# KiCad board arena_12-12_v8_ni.kicad_pcb (continued)
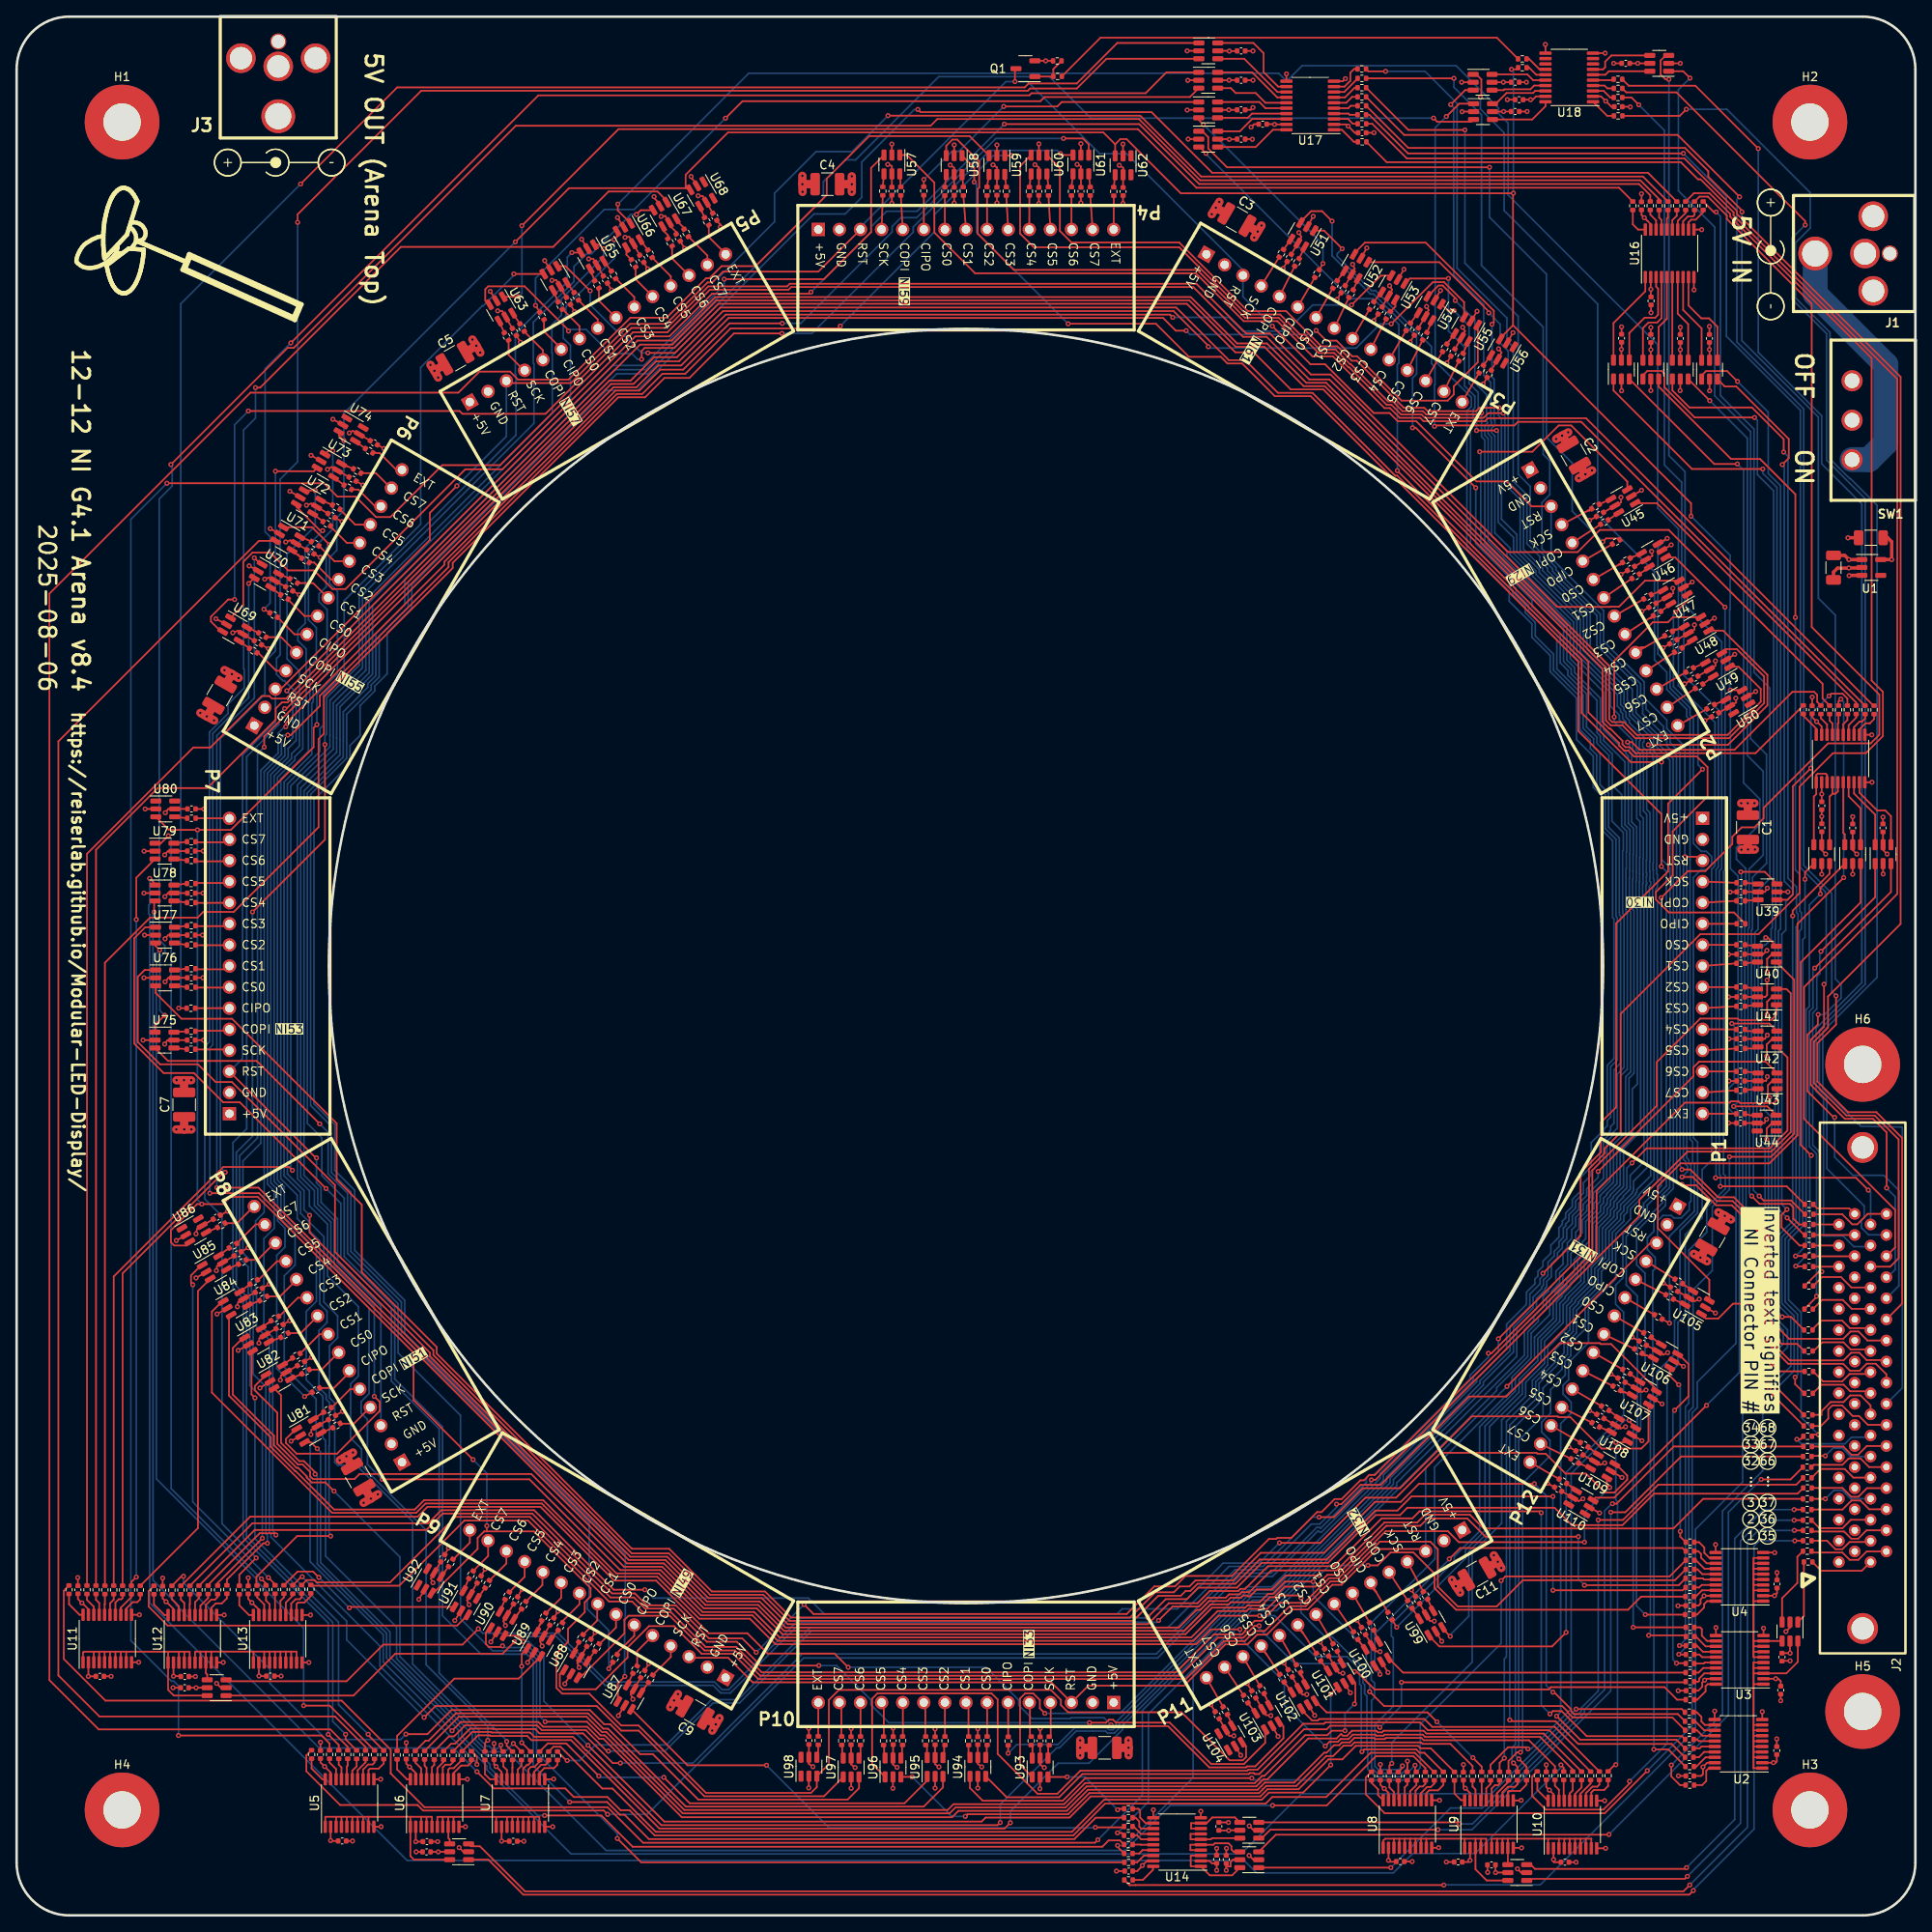
[diagram p0: board, top side]
## Nets (continued)
/Panel Headers/CS_03_P11: P11.10 R289.2
/Panel Headers/CS_03_P12: P12.10 R301.2
/Panel Headers/CS_04_P01: P1.11 R170.2
/Panel Headers/CS_04_P02: P2.11 R182.2
/Panel Headers/CS_04_P03: P3.11 R194.2
/Panel Headers/CS_04_P04: P4.11 R206.2
/Panel Headers/CS_04_P05: P5.11 R218.2
/Panel Headers/CS_04_P06: P6.11 R230.2
/Panel Headers/CS_04_P07: P7.11 R242.2
/Panel Headers/CS_04_P08: P8.11 R254.2
/Panel Headers/CS_04_P09: P9.11 R266.2
/Panel Headers/CS_04_P10: P10.11 R278.2
/Panel Headers/CS_04_P11: P11.11 R290.2
/Panel Headers/CS_04_P12: P12.11 R302.2
/Panel Headers/CS_05_P01: P1.12 R171.2
/Panel Headers/CS_05_P02: P2.12 R183.2
/Panel Headers/CS_05_P03: P3.12 R195.2
/Panel Headers/CS_05_P04: P4.12 R207.2
/Panel Headers/CS_05_P05: P5.12 R219.2
/Panel Headers/CS_05_P06: P6.12 R231.2
/Panel Headers/CS_05_P07: P7.12 R243.2
/Panel Headers/CS_05_P08: P8.12 R255.2
/Panel Headers/CS_05_P09: P9.12 R267.2
/Panel Headers/CS_05_P10: P10.12 R279.2
/Panel Headers/CS_05_P11: P11.12 R291.2
/Panel Headers/CS_05_P12: P12.12 R303.2
/Panel Headers/CS_06_P01: P1.13 R172.2
/Panel Headers/CS_06_P02: P2.13 R184.2
/Panel Headers/CS_06_P03: P3.13 R196.2
/Panel Headers/CS_06_P04: P4.13 R208.2
/Panel Headers/CS_06_P05: P5.13 R220.2
/Panel Headers/CS_06_P06: P6.13 R232.2
/Panel Headers/CS_06_P07: P7.13 R244.2
/Panel Headers/CS_06_P08: P8.13 R256.2
/Panel Headers/CS_06_P09: P9.13 R268.2
/Panel Headers/CS_06_P10: P10.13 R280.2
/Panel Headers/CS_06_P11: P11.13 R292.2
/Panel Headers/CS_06_P12: P12.13 R304.2
/Panel Headers/CS_07_P01: P1.14 R173.2
/Panel Headers/CS_07_P02: P2.14 R185.2
/Panel Headers/CS_07_P03: P3.14 R197.2
/Panel Headers/CS_07_P04: P4.14 R209.2
/Panel Headers/CS_07_P05: P5.14 R221.2
/Panel Headers/CS_07_P06: P6.14 R233.2
/Panel Headers/CS_07_P07: P7.14 R245.2
/Panel Headers/CS_07_P08: P8.14 R257.2
/Panel Headers/CS_07_P09: P9.14 R269.2
/Panel Headers/CS_07_P10: P10.14 R281.2
/Panel Headers/CS_07_P11: P11.14 R293.2
/Panel Headers/CS_07_P12: P12.14 R305.2
/Panel Headers/EXT_INT_P01: P1.15 R174.2
/Panel Headers/EXT_INT_P02: P2.15 R186.2
/Panel Headers/EXT_INT_P03: P3.15 R198.2
/Panel Headers/EXT_INT_P04: P4.15 R210.2
/Panel Headers/EXT_INT_P05: P5.15 R222.2
/Panel Headers/EXT_INT_P06: P6.15 R234.2
/Panel Headers/EXT_INT_P07: P7.15 R246.2
/Panel Headers/EXT_INT_P08: P8.15 R258.2
/Panel Headers/EXT_INT_P09: P9.15 R270.2
/Panel Headers/EXT_INT_P10: P10.15 R282.2
/Panel Headers/EXT_INT_P11: P11.15 R294.2
/Panel Headers/EXT_INT_P12: P12.15 R306.2
/Panel Headers/MISO_00_P01: P1.6 R165.2
/Panel Headers/MISO_01_P02: P2.6 R177.2
/Panel Headers/MISO_02_P03: P3.6 R189.2
/Panel Headers/MISO_03_P04: P4.6 R201.2
/Panel Headers/MISO_04_P05: P5.6 R213.2
/Panel Headers/MISO_05_P06: P6.6 R225.2
/Panel Headers/MISO_06_P07: P7.6 R237.2
/Panel Headers/MISO_07_P08: P8.6 R249.2
/Panel Headers/MISO_08_P09: P9.6 R261.2
/Panel Headers/MISO_09_P10: P10.6 R273.2
/Panel Headers/MISO_10_P11: P11.6 R285.2
/Panel Headers/MISO_11_P12: P12.6 R297.2
/Panel Headers/MOSI_00_P01: P1.5 R164.2
/Panel Headers/MOSI_01_P02: P2.5 R176.2
/Panel Headers/MOSI_02_P03: P3.5 R188.2
/Panel Headers/MOSI_03_P04: P4.5 R200.2
/Panel Headers/MOSI_04_P05: P5.5 R212.2
/Panel Headers/MOSI_05_P06: P6.5 R224.2
/Panel Headers/MOSI_06_P07: P7.5 R236.2
/Panel Headers/MOSI_07_P08: P8.5 R248.2
/Panel Headers/MOSI_08_P09: P9.5 R260.2
/Panel Headers/MOSI_09_P10: P10.5 R272.2
/Panel Headers/MOSI_10_P11: P11.5 R284.2
/Panel Headers/MOSI_11_P12: P12.5 R296.2
/Panel Headers/RESET: P1.3 P2.3 P3.3 P4.3 P5.3 P6.3 P7.3 P8.3 P9.3 P10.3 P11.3 P12.3 Q1.3
/Panel Headers/SCK_0_H1_P01: P1.4 R163.2
/Panel Headers/SCK_0_H2_P07: P7.4 R235.2
/Panel Headers/SCK_1_H1_P02: P2.4 R175.2
/Panel Headers/SCK_1_H2_P08: P8.4 R247.2
/Panel Headers/SCK_2_H1_P03: P3.4 R187.2
/Panel Headers/SCK_2_H2_P09: P9.4 R259.2
/Panel Headers/SCK_3_H1_P04: P4.4 R199.2
/Panel Headers/SCK_3_H2_P10: P10.4 R271.2
/Panel Headers/SCK_4_H1_P05: P5.4 R211.2
/Panel Headers/SCK_4_H2_P11: P11.4 R283.2
/Panel Headers/SCK_5_H1_P06: P6.4 R223.2
/Panel Headers/SCK_5_H2_P12: P12.4 R295.2
/Power & Voltage Regulators/SW_5V: J1.1 SW1.1
Net-(J2-Pin_29): J2.29 R23.1
Net-(J2-Pin_30): J2.30 R24.1
Net-(J2-Pin_31): J2.31 R25.1
Net-(J2-Pin_32): J2.32 R26.1
Net-(J2-Pin_33): J2.33 R27.1
Net-(J2-Pin_34): J2.34 R28.1
Net-(J2-Pin_35): J2.35 R1.1
Net-(J2-Pin_36): J2.36 R2.1
Net-(J2-Pin_37): J2.37 R3.1
Net-(J2-Pin_38): J2.38 R4.1
Net-(J2-Pin_39): J2.39 R5.1
Net-(J2-Pin_40): J2.40 R6.1
Net-(J2-Pin_41): J2.41 R7.1
Net-(J2-Pin_42): J2.42 R8.1
Net-(J2-Pin_43): J2.43 R9.1
Net-(J2-Pin_44): J2.44 R10.1
Net-(J2-Pin_45): J2.45 R11.1
Net-(J2-Pin_46): J2.46 R12.1
Net-(J2-Pin_47): J2.47 R13.1
Net-(J2-Pin_48): J2.48 R14.1
Net-(J2-Pin_49): J2.49 R15.1
Net-(J2-Pin_51): J2.51 R16.1
Net-(J2-Pin_53): J2.53 R17.1
Net-(J2-Pin_55): J2.55 R18.1
Net-(J2-Pin_57): J2.57 R19.1
Net-(J2-Pin_59): J2.59 R20.1
Net-(J2-Pin_61): J2.61 R21.1
Net-(J2-Pin_68): J2.68 R22.1
Net-(Q1-G): Q1.1 R307.2 R308.1
Net-(R163-Pad1): R163.1 U39.4
Net-(R164-Pad1): R164.1 U39.6
Net-(R166-Pad1): R166.1 U40.4
Net-(R167-Pad1): R167.1 U40.6
Net-(R168-Pad1): R168.1 U41.4
Net-(R169-Pad1): R169.1 U41.6
Net-(R170-Pad1): R170.1 U42.4
Net-(R171-Pad1): R171.1 U42.6
Net-(R172-Pad1): R172.1 U43.4
Net-(R173-Pad1): R173.1 U43.6
Net-(R174-Pad1): R174.1 U44.4
Net-(R175-Pad1): R175.1 U45.4
Net-(R176-Pad1): R176.1 U45.6
Net-(R178-Pad1): R178.1 U46.4
Net-(R179-Pad1): R179.1 U46.6
Net-(R180-Pad1): R180.1 U47.4
Net-(R181-Pad1): R181.1 U47.6
Net-(R182-Pad1): R182.1 U48.4
Net-(R183-Pad1): R183.1 U48.6
Net-(R184-Pad1): R184.1 U49.4
Net-(R185-Pad1): R185.1 U49.6
Net-(R186-Pad1): R186.1 U50.4
Net-(R187-Pad1): R187.1 U51.4
Net-(R188-Pad1): R188.1 U51.6
Net-(R190-Pad1): R190.1 U52.4
Net-(R191-Pad1): R191.1 U52.6
Net-(R192-Pad1): R192.1 U53.4
Net-(R193-Pad1): R193.1 U53.6
Net-(R194-Pad1): R194.1 U54.4
Net-(R195-Pad1): R195.1 U54.6
Net-(R196-Pad1): R196.1 U55.4
Net-(R197-Pad1): R197.1 U55.6
Net-(R198-Pad1): R198.1 U56.4
Net-(R199-Pad1): R199.1 U57.4
Net-(R200-Pad1): R200.1 U57.6
Net-(R202-Pad1): R202.1 U58.4
Net-(R203-Pad1): R203.1 U58.6
Net-(R204-Pad1): R204.1 U59.4
Net-(R205-Pad1): R205.1 U59.6
Net-(R206-Pad1): R206.1 U60.4
Net-(R207-Pad1): R207.1 U60.6
Net-(R208-Pad1): R208.1 U61.4
Net-(R209-Pad1): R209.1 U61.6
Net-(R210-Pad1): R210.1 U62.4
Net-(R211-Pad1): R211.1 U63.4
Net-(R212-Pad1): R212.1 U63.6
Net-(R214-Pad1): R214.1 U64.4
Net-(R215-Pad1): R215.1 U64.6
Net-(R216-Pad1): R216.1 U65.4
Net-(R217-Pad1): R217.1 U65.6
Net-(R218-Pad1): R218.1 U66.4
Net-(R219-Pad1): R219.1 U66.6
Net-(R220-Pad1): R220.1 U67.4
Net-(R221-Pad1): R221.1 U67.6
Net-(R222-Pad1): R222.1 U68.4
Net-(R223-Pad1): R223.1 U69.4
Net-(R224-Pad1): R224.1 U69.6
Net-(R226-Pad1): R226.1 U70.4
Net-(R227-Pad1): R227.1 U70.6
Net-(R228-Pad1): R228.1 U71.4
Net-(R229-Pad1): R229.1 U71.6
Net-(R230-Pad1): R230.1 U72.4
Net-(R231-Pad1): R231.1 U72.6
Net-(R232-Pad1): R232.1 U73.4
Net-(R233-Pad1): R233.1 U73.6
Net-(R234-Pad1): R234.1 U74.4
Net-(R235-Pad1): R235.1 U75.4
Net-(R236-Pad1): R236.1 U75.6
Net-(R238-Pad1): R238.1 U76.4
Net-(R239-Pad1): R239.1 U76.6
Net-(R240-Pad1): R240.1 U77.4
Net-(R241-Pad1): R241.1 U77.6
Net-(R242-Pad1): R242.1 U78.4
Net-(R243-Pad1): R243.1 U78.6
Net-(R244-Pad1): R244.1 U79.4
Net-(R245-Pad1): R245.1 U79.6
Net-(R246-Pad1): R246.1 U80.4
Net-(R247-Pad1): R247.1 U81.4
Net-(R248-Pad1): R248.1 U81.6
Net-(R250-Pad1): R250.1 U82.4
Net-(R251-Pad1): R251.1 U82.6
Net-(R252-Pad1): R252.1 U83.4
Net-(R253-Pad1): R253.1 U83.6
Net-(R254-Pad1): R254.1 U84.4
Net-(R255-Pad1): R255.1 U84.6
Net-(R256-Pad1): R256.1 U85.4
Net-(R257-Pad1): R257.1 U85.6
Net-(R258-Pad1): R258.1 U86.4
Net-(R259-Pad1): R259.1 U87.4
Net-(R260-Pad1): R260.1 U87.6
Net-(R262-Pad1): R262.1 U88.4
Net-(R263-Pad1): R263.1 U88.6
Net-(R264-Pad1): R264.1 U89.4
Net-(R265-Pad1): R265.1 U89.6
Net-(R266-Pad1): R266.1 U90.4
Net-(R267-Pad1): R267.1 U90.6
Net-(R268-Pad1): R268.1 U91.4
Net-(R269-Pad1): R269.1 U91.6
Net-(R270-Pad1): R270.1 U92.4
Net-(R271-Pad1): R271.1 U93.4
Net-(R272-Pad1): R272.1 U93.6
Net-(R274-Pad1): R274.1 U94.4
Net-(R275-Pad1): R275.1 U94.6
Net-(R276-Pad1): R276.1 U95.4
Net-(R277-Pad1): R277.1 U95.6
Net-(R278-Pad1): R278.1 U96.4
Net-(R279-Pad1): R279.1 U96.6
Net-(R280-Pad1): R280.1 U97.4
Net-(R281-Pad1): R281.1 U97.6
Net-(R282-Pad1): R282.1 U98.4
Net-(R283-Pad1): R283.1 U99.4
Net-(R284-Pad1): R284.1 U99.6
Net-(R286-Pad1): R286.1 U100.4
Net-(R287-Pad1): R287.1 U100.6
Net-(R288-Pad1): R288.1 U101.4
Net-(R289-Pad1): R289.1 U101.6
Net-(R290-Pad1): R290.1 U102.4
Net-(R291-Pad1): R291.1 U102.6
Net-(R292-Pad1): R292.1 U103.4
Net-(R293-Pad1): R293.1 U103.6
Net-(R294-Pad1): R294.1 U104.4
Net-(R295-Pad1): R295.1 U105.4
Net-(R296-Pad1): R296.1 U105.6
Net-(R298-Pad1): R298.1 U106.4
Net-(R299-Pad1): R299.1 U106.6
Net-(R300-Pad1): R300.1 U107.4
Net-(R301-Pad1): R301.1 U107.6
Net-(R302-Pad1): R302.1 U108.4
Net-(R303-Pad1): R303.1 U108.6
Net-(R304-Pad1): R304.1 U109.4
Net-(R305-Pad1): R305.1 U109.6
Net-(R306-Pad1): R306.1 U110.4
Net-(U2-A1): U2.1 U2.3 U2.4 U2.5 U2.6 U2.7 U2.8 U2.9 U3.1 U3.3 U3.4 U3.5 U19.6
Net-(U2-B1): R29.2 U2.20
Net-(U2-B2): R30.2 U2.18
Net-(U2-B3): R31.2 U2.17
Net-(U2-B4): R32.2 U2.16
Net-(U2-B5): R33.2 U2.15
Net-(U2-B6): R34.2 U2.14
Net-(U2-B7): R35.2 U2.13
Net-(U2-B8): R36.2 U2.12
Net-(U3-A5): U3.6 U3.7 U3.8 U3.9 U4.1 U4.3 U4.4 U4.5 U4.6 U4.7 U4.8 U4.9 U19.4
Net-(U3-B1): R37.2 U3.20
Net-(U3-B2): R38.2 U3.18
Net-(U3-B3): R39.2 U3.17
Net-(U3-B4): R40.2 U3.16
Net-(U3-B5): R41.2 U3.15
Net-(U3-B6): R42.2 U3.14
Net-(U3-B7): R43.2 U3.13
Net-(U3-B8): R44.2 U3.12
Net-(U4-B1): R45.2 U4.20
Net-(U4-B2): R46.2 U4.18
Net-(U4-B3): R47.2 U4.17
Net-(U4-B4): R48.2 U4.16
Net-(U4-B5): R49.2 U4.15
Net-(U4-B6): R50.2 U4.14
Net-(U4-B7): R51.2 U4.13
Net-(U4-B8): R52.2 U4.12
Net-(U5-A1): U5.1 U5.3 U5.4 U5.5 U5.6 U5.7 U5.8 U5.9 U6.1 U6.3 U6.4 U6.5 U20.6
Net-(U5-B1): R53.2 U5.20
Net-(U5-B2): R54.2 U5.18
Net-(U5-B3): R55.2 U5.17
Net-(U5-B4): R56.2 U5.16
Net-(U5-B5): R57.2 U5.15
Net-(U5-B6): R58.2 U5.14
Net-(U5-B7): R59.2 U5.13
Net-(U5-B8): R60.2 U5.12
Net-(U6-A5): U6.6 U6.7 U6.8 U6.9 U7.1 U7.3 U7.4 U7.5 U7.6 U7.7 U7.8 U7.9 U20.4
Net-(U6-B1): R61.2 U6.20
Net-(U6-B2): R62.2 U6.18
Net-(U6-B3): R63.2 U6.17
Net-(U6-B4): R64.2 U6.16
Net-(U6-B5): R65.2 U6.15
Net-(U6-B6): R66.2 U6.14
Net-(U6-B7): R67.2 U6.13
Net-(U6-B8): R68.2 U6.12
Net-(U7-B1): R69.2 U7.20
Net-(U7-B2): R70.2 U7.18
Net-(U7-B3): R71.2 U7.17
Net-(U7-B4): R72.2 U7.16
Net-(U7-B5): R73.2 U7.15
Net-(U7-B6): R74.2 U7.14
Net-(U7-B7): R75.2 U7.13
Net-(U7-B8): R76.2 U7.12
Net-(U8-A1): U8.1 U8.3 U8.4 U8.5 U8.6 U8.7 U8.8 U8.9 U9.1 U9.3 U9.4 U9.5 U21.6
Net-(U8-B1): R77.2 U8.20
Net-(U8-B2): R78.2 U8.18
Net-(U8-B3): R79.2 U8.17
Net-(U8-B4): R80.2 U8.16
Net-(U8-B5): R81.2 U8.15
Net-(U8-B6): R82.2 U8.14
Net-(U8-B7): R83.2 U8.13
Net-(U8-B8): R84.2 U8.12
Net-(U9-B1): R85.2 U9.20
Net-(U9-B2): R86.2 U9.18
Net-(U9-B3): R87.2 U9.17
Net-(U9-B4): R88.2 U9.16
Net-(U9-B5): R89.2 U9.15
Net-(U9-B6): R90.2 U9.14
Net-(U9-B7): R91.2 U9.13
Net-(U9-B8): R92.2 U9.12
Net-(U10-A1): U9.6 U9.7 U9.8 U9.9 U10.1 U10.3 U10.4 U10.5 U10.6 U10.7 U10.8 U10.9 U21.4
Net-(U10-B1): R93.2 U10.20
Net-(U10-B2): R94.2 U10.18
Net-(U10-B3): R95.2 U10.17
Net-(U10-B4): R96.2 U10.16
Net-(U10-B5): R97.2 U10.15
Net-(U10-B6): R98.2 U10.14
Net-(U10-B7): R99.2 U10.13
Net-(U10-B8): R100.2 U10.12
Net-(U11-A1): U11.1 U11.3 U11.4 U11.5 U11.6 U11.7 U11.8 U11.9 U12.1 U12.3 U12.4 U12.5 U22.6
Net-(U11-B1): R101.2 U11.20
Net-(U11-B2): R102.2 U11.18
Net-(U11-B3): R103.2 U11.17
Net-(U11-B4): R104.2 U11.16
Net-(U11-B5): R105.2 U11.15
Net-(U11-B6): R106.2 U11.14
Net-(U11-B7): R107.2 U11.13
Net-(U11-B8): R108.2 U11.12
Net-(U12-A5): U12.6 U12.7 U12.8 U12.9 U13.1 U13.3 U13.4 U13.5 U13.6 U13.7 U13.8 U13.9 U22.4
Net-(U12-B1): R109.2 U12.20
Net-(U12-B2): R110.2 U12.18
Net-(U12-B3): R111.2 U12.17
Net-(U12-B4): R112.2 U12.16
Net-(U12-B5): R113.2 U12.15
Net-(U12-B6): R114.2 U12.14
Net-(U12-B7): R115.2 U12.13
Net-(U12-B8): R116.2 U12.12
Net-(U13-B1): R117.2 U13.20
Net-(U13-B2): R118.2 U13.18
Net-(U13-B3): R119.2 U13.17
Net-(U13-B4): R120.2 U13.16
Net-(U13-B5): R121.2 U13.15
Net-(U13-B6): R122.2 U13.14
Net-(U13-B7): R123.2 U13.13
Net-(U13-B8): R124.2 U13.12
Net-(U14-A1): U14.1 U14.3 U23.6
Net-(U14-A3): U14.4 U14.5 U23.4
Net-(U14-A5): U14.6 U14.7 U24.6
Net-(U14-A7): U14.8 U14.9 U24.4
Net-(U14-B1): R125.2 U14.20
Net-(U14-B2): R126.2 U14.18
Net-(U14-B3): R127.2 U14.17
Net-(U14-B4): R128.2 U14.16
Net-(U14-B5): R129.2 U14.15
Net-(U14-B6): R130.2 U14.14
Net-(U14-B7): R131.2 U14.13
Net-(U14-B8): R132.2 U14.12
Net-(U15-A1): U15.1 U15.3 U25.6
Net-(U15-A3): U15.4 U15.5 U25.4
Net-(U15-A5): U15.6 U26.6
Net-(U15-A6): U15.7 U26.4
Net-(U15-A7): U15.8 U27.6
Net-(U15-A8): U15.9 U27.4
Net-(U15-B1): R133.2 U15.20
Net-(U15-B2): R134.2 U15.18
Net-(U15-B3): R135.2 U15.17
Net-(U15-B4): R136.2 U15.16
Net-(U15-B5): R137.2 U15.15
Net-(U15-B6): R138.2 U15.14
Net-(U15-B7): R139.2 U15.13
Net-(U15-B8): R140.2 U15.12
Net-(U16-A1): U16.1 U32.6
Net-(U16-A2): U16.3 U32.4
Net-(U16-A3): U16.4 U34.6
Net-(U16-A4): U16.5 U34.4
Net-(U16-A5): U16.6 U33.6
Net-(U16-A6): U16.7 U33.4
Net-(U16-A7): U16.8 U35.6
Net-(U16-A8): U16.9 U35.4
Net-(U16-B1): R141.2 U16.20
Net-(U16-B2): R142.2 U16.18
Net-(U16-B3): R143.2 U16.17
Net-(U16-B4): R144.2 U16.16
Net-(U16-B5): R145.2 U16.15
Net-(U16-B6): R146.2 U16.14
Net-(U16-B7): R147.2 U16.13
Net-(U16-B8): R148.2 U16.12
Net-(U17-A1): R149.1 U17.1
Net-(U17-A2): R150.1 U17.3
Net-(U17-A3): R151.1 U17.4
Net-(U17-A4): R152.1 U17.5
Net-(U17-A5): R153.1 U17.6
Net-(U17-A6): R154.1 U17.7
Net-(U17-A7): R155.1 U17.8
Net-(U17-A8): R156.1 U17.9
Net-(U17-B1): U17.20 U28.4
Net-(U17-B2): U17.18 U28.6
Net-(U17-B3): U17.17 U29.4
Net-(U17-B4): U17.16 U29.6
Net-(U17-B5): U17.15 U30.4
Net-(U17-B6): U17.14 U30.6
Net-(U17-B7): U17.13 U31.4
Net-(U17-B8): U17.12 U31.6
Net-(U18-A1): R159.2 U18.1
Net-(U18-A2): R160.2 U18.3
Net-(U18-A3): R161.2 U18.4
Net-(U18-A4): R162.2 U18.5
Net-(U18-A5): U18.6 U38.6
Net-(U18-A6): U18.7 U38.4
Net-(U18-B1): U18.20 U36.4
Net-(U18-B2): U18.18 U36.6
Net-(U18-B3): U18.17 U37.4
Net-(U18-B4): U18.16 U37.6
Net-(U18-B5): R157.2 U18.15
Net-(U18-B6): R158.2 U18.14

Pads without a net: J2 4 5 6 7 8 9 10 11 12 13 14 15 16 17 18 19 20 21 22 23 24 25 26 27 28; U1 4; U18 8 9 12 13; U44 1 6; U50 1 6; U56 1 6; U62 1 6; U68 1 6; U74 1 6; U80 1 6; U86 1 6; U92 1 6; U98 1 6; U104 1 6; U110 1 6

## Via types
v1: diameter 0.6, hole 0.3, Top to Bottom, 815 vias

## Routing (per net, layer and track width the routed paths; a pad name or vN(x,y) marks a point on that pad's centre or on a via; arc(x,y) is an arc through that point)
+3.3V: length 101.6
  Top w0.2: U38.5 v1(195.18,222.98) 194.2,222.98 ; 203.8,189.37 v1(203.8,188.52) 203.81,188.51 U35.5 ; C139.1 192,217.75 v1(191.32,218.43) 190.75,219 U18.2 ; C121.1 174.78,6.43 v1(174.99,6.63) U9.2 ; U4.10 211.65,43.69 v1(211.67,43.67) ; C117.1 58.41,8.93 v1(58.39,8.95) 58.39,8.96 U7.2 ; C109.1 212.39,28.2 212.09,28.5 v1(211.79,28.5) 211.79,28.49 U3.2 ; C133.1 v1(217.32,135) 217.31,135.01 U15.2 ; v1(225.2,127.78) 224.71,128.27 U27.5 ; C107.1 211.92,18.52 211.79,18.4 v1(211.51,18.4) 211.5,18.38 U2.2 ; C125.1 8.79,28.78 8.78,28.77 v1(8.63,28.77) 8.64,28.79 U11.2 ; 145.63,5.89 C19.1 ; 145.63,5.89 146.15,5.89 146.16,5.9 146.16,6.42 146.44,6.7 147.26,6.7 ; 145.63,5.89 v1(145.63,5.43) ; U12.10 24.86,30.44 v1(24.88,30.46) ; v1(142.57,12.54) 142.57,11.76 ; U32.5 193.2,188.54 v1(193.2,188.55) 193.23,188.57 C24.1 ; U4.2 211.63,38.49 v1(211.64,38.5) 211.94,38.8 C111.1 ; C23.1 224.7,128.91 ; U8.10 171.19,8.14 v1(171.21,8.16) ; U24.5 145.95,10.25 v1(145.93,10.23) 144.75,10.23 ; 19.73,28.8 v1(18.89,28.8) 18.89,28.81 U12.2 ; C123.1 185.09,6.41 185.03,6.46 v1(185.03,6.73) ; C25.1 v1(196.75,188.5) 196.75,188.49 U34.5 ; v1(221.55,127.78) 221.05,128.28 U26.5 C22.1 ; v1(54.03,10.68) 53.27,10.68 ; U22.5 21.61,27.41 v1(21.61,27.41) C18.1 ; U14.2 143.62,6.56 143.91,6.28 144.47,6.28 ; U21.5 v1(178.06,5.16) 178.04,5.18 C17.1 ; v1(210.17,24.52) 210.17,23.59 ; U13.2 29.16,28.85 v1(29.18,28.83) 29.2,28.81 C129.1 ; v1(210.31,34.57) 210.31,33.7 ; U33.5 200.3,188.49 v1(200.3,188.5) C26.1 ; C21.1 217.33,128.91 ; U17.2 160.1,215.63 v1(160.31,215.41) 161.11,214.62 C137.1 ; v1(223.38,136.43) 223.37,136.42 U15.10 ; U13.10 35.17,30.44 v1(35.18,30.45) ; 48.92,8.88 48.07,8.88 v1(48.06,8.87) 48.06,8.88 48.06,10.67 ; 52.14,7.66 50.78,7.66 v1(50.76,7.65) C16.1 ; U16.10 201.94,195.72 v1(201.95,195.7) ; v1(181.19,8.13) 180.2,8.13 ; v1(144.49,5.43) 144.49,6.27 ; 196.75,194.88 v1(196.75,195.78) 196.74,195.79 U16.2 ; 166.07,6.46 165.34,6.46 v1(165.16,6.63) ; C15.1 v1(213.51,31.57) 213.5,31.59 U19.5 ; 38.72,8.96 37.86,8.96 v1(37.81,9.01) U5.2 ; v1(43.88,10.68) 43.87,10.67 U5.10 ; v1(217.8,127.78) 217.32,128.25 U25.5 ; U17.10 159.68,220.83 v1(159.97,221.13) ; U18.10 v1(191.25,224.2) ; U8.2 165.17,6.64 ; U7.10 v1(64.54,10.67) ; U10.2 185.03,6.74 ; v1(191.31,8.08) U10.10 ; v1(14.7,30.48) 13.86,30.48
  Top w0.4: C14.1 225.26,165.86 225.75,165.38 v1(225.75,163.23) 225.75,163.23 U1.5
+5V: length 323.8
  Top w0.2: v1(193.15,170.73) 193.18,170.13 U45.5 191.04,168.91 ; v1(127.68,210.8) 128.12,210.58 U61.5 C57.1 ; v1(35.42,57.9) 35.5,58.48 U81.5 37.56,59.69 ; v1(210.68,95.85) 210.43,95.4 U44.5 C40.1 ; 204.92,144.78 206.25,145.55 207.02,146.03 v1(206.98,146.55) ; v1(117.55,210.75) 118.03,210.45 U59.5 C55.1 ; U3.19 203.39,28.49 v1(203.22,28.32) 202.94,28.04 202.94,27.52 202.47,27.05 C110.1 ; C71.1 U75.5 18.17,105.38 v1(17.83,104.9) ; 168.76,191.1 U54.5 170,193.25 v1(169.75,193.7) ; 146.92,213.83 v1(146,213.83) 145.97,213.85 U28.5 ; v1(31.75,64.45) 31.83,65 U82.5 C78.1 ; C118.1 57.48,18.17 v1(57.73,17.92) 58.39,17.27 U7.19 ; C73.1 U77.5 18.25,118.03 v1(17.88,117.58) ; 79.41,202.41 79.41,202.67 78.6,203.48 ; C39.1 U43.5 210.62,100.48 v1(210.77,100.98) ; C52.1 178.31,187.34 178.78,188.15 v1(178.43,188.6) ; v1(34.9,169.78) 35.45,169.98 U72.5 37.5,168.77 ; U36.5 179.01,217.17 v1(179.03,217.18) C32.1 ; v1(160.85,198.78) 161.1,198.25 160.71,197.54 159.94,196.2 ; U12.19 18.89,36.89 18.01,37.77 v1(17.98,37.77) 17.58,38.17 C128.1 ; v1(24.05,77.63) 24.12,78.18 24.8,78.6 26.19,79.41 ; C33.1 v1(179,220.7) 179,220.7 U37.5 ; C53.1 U57.5 105.38,210.63 v1(104.88,210.8) ; C132.1 134.91,5.34 135.53,5.96 v1(135.53,6.01) 136.08,6.56 U14.19 ; C87.1 54.64,38.63 54.22,37.95 v1(54.47,37.4) ; C94.1 U98.5 95.38,18.25 v1(95.88,17.9) ; C44.1 201.27,154.36 202,154.8 v1(202,155.38) ; v1(29.88,160.88) 30.4,161.08 31.06,160.71 32.4,159.95 ; C93.1 U97.5 100.47,18.18 v1(100.95,17.8) ; C74.1 U78.5 18.25,123.1 v1(17.85,122.65) ; C62.1 74.24,201.27 73.75,202.1 v1(73.25,202.03) ; U31.5 145.97,224.48 v1(146,224.45) 146.93,224.45 ; 168.91,37.56 U99.5 170.15,35.45 v1(170.68,35.43) ; C75.1 U79.5 18.2,128.13 v1(17.83,127.68) ; 48.06,16.4 48.06,17.13 47.72,17.47 47.71,17.47 v1(47.31,17.87) 46.91,18.27 C116.1 ; C140.1 v1(182.28,218.6) 182.53,218.6 182.93,219 U18.19 ; C61.1 U65.5 69.43,199.45 v1(68.88,199.43) ; C82.1 22.35,83.05 21.72,82.68 v1(21.6,82.05) ; C54.1 U58.5 112.88,210.4 v1(112.4,210.73) ; C49.1 U53.5 165.6,195.73 v1(165.3,196.2) ; v1(26.03,154.43) 26.6,154.65 U69.5 C65.1 ; v1(210.77,105.98) 210.48,105.53 U42.5 C38.1 ; C56.1 U60.5 123.07,210.45 v1(122.6,210.78) ; C76.1 U80.5 18.25,133.2 v1(17.9,132.75) ; U15.19 217.31,143.14 216.73,143.73 v1(216.7,143.73) 216.17,144.26 C134.1 ; v1(151,24.05) 150.4,24.12 150,24.8 149.19,26.19 ; C108.1 202.81,16.79 203.02,17 v1(203.02,17.86) 203.54,18.38 U2.19 ; v1(155.32,26.6) 154.8,26.58 154.36,27.33 C98.1 ; v1(164.15,31.75) 163.6,31.8 U100.5 C96.1 ; 68.66,32.4 67.89,31.06 67.5,30.4 v1(67.72,29.85) ; C64.1 83.05,206.25 82.6,207 v1(82.05,207.03) ; U4.19 203.18,38.49 v1(203.17,38.47) 202.74,38.05 202.74,37.55 202.49,37.29 C112.1 ; v1(210.77,123.68) 210.5,123.23 U39.5 C35.1 ; v1(146.55,21.62) 146,21.6 145.55,22.35 144.78,23.68 ; v1(37.42,174.1) 37.92,174.38 38.63,173.96 C69.1 ; 78.6,203.8 78.1,204.6 v1(77.6,204.55) ; C138.1 151.43,215.65 v1(151.45,215.63) U17.19 ; C114.1 36.58,18.43 v1(37.08,17.92) 37.81,17.2 U5.19 ; 59.69,191.04 U63.5 58.47,193.15 v1(57.92,193.18) ; C97.1 U101.5 159.18,29.2 v1(159.68,29.15) ; C120.1 164.19,15.73 v1(164.65,15.27) 165.17,14.75 U8.19 ; v1(74.2,26.03) 73.95,26.6 U87.5 75.14,28.64 ; U10.19 185.03,14.59 v1(184.53,15.08) 184.16,15.46 C124.1 ; v1(50.12,40.05) 49.88,40.55 50.29,41.26 C88.1 ; v1(17.88,112.4) 18.28,112.88 U76.5 C72.1 ; v1(132.75,210.7) 133.22,210.4 U62.5 C58.1 ; 199.96,75.14 U105.5 202.02,73.95 v1(202.57,74.2) ; 196.2,68.66 197.54,67.89 198.25,67.5 v1(198.77,67.75) ; C136.1 195.63,204.72 v1(195.96,204.39) 196.35,204 196.74,203.62 U16.19 ; 27.88,38.71 27.88,38.1 v1(28.32,37.65) 28.77,37.2 28.78,37.2 29.16,36.82 U13.19 ; 146.94,220.95 v1(145.97,220.95) 145.97,220.94 U30.5 ; v1(111.05,17.88) 110.57,18.2 U95.5 C91.1 ; C106.1 187.34,50.29 188.07,49.88 v1(188.57,50.15) ; C90.1 U94.5 115.72,18.25 v1(116.2,17.88) ; U9.19 174.99,14.73 v1(174.41,15.31) 174.19,15.53 C122.1 ; C42.1 U46.5 196.94,163.68 v1(196.84,164.22) ; C37.1 U41.5 210.52,110.58 210.75,110.8 v1(210.75,112.6) ; C36.1 209.58,115.72 ; 191.1,59.84 U108.5 193.12,58.63 v1(193.7,58.83) ; C67.1 U71.5 32.95,165.55 v1(32.4,165.35) ; v1(64.45,196.85) 64.97,196.88 U64.5 C60.1 ; C92.1 U96.5 105.5,18.18 v1(106,17.83) ; C80.1 27.33,74.24 26.67,73.83 v1(26.58,73.28) ; v1(191.2,54.48) 190.65,54.25 189.97,54.64 C105.1 ; 146.94,217.38 v1(145.95,217.38) 145.94,217.37 U29.5 ; v1(123.72,17.8) 123.22,18.15 U93.5 C89.1 ; v1(196.18,63.25) 195.68,63.03 U107.5 193.64,64.2 ; C47.1 U51.5 154.68,202.08 v1(154.38,202.6) ; C51.1 173.96,189.97 174.38,190.73 v1(174.1,191.2) ; v1(199.4,159.78) 199.45,159.18 U47.5 C43.1 ; C79.1 U83.5 29.22,69.48 v1(29.17,68.9) ; v1(58.85,34.9) 58.6,35.45 U90.5 59.83,37.5 ; U11.19 8.64,36.86 7.89,37.62 v1(7.86,37.62) 7.38,38.1 C126.1 ; v1(40.05,178.48) 40.47,178.73 41.26,178.31 C70.1 ; v1(210.73,116.18) 210.28,115.73 U40.5 ; 64.2,34.96 U89.5 63.03,32.98 v1(63.28,32.43) ; 202.41,149.19 203.8,150 204.52,150.45 v1(204.52,151.03)
  Top w0.4: 222.15,163.23 v1(220.6,163.23) 220.09,163.74 C13.1 ; v1(220.62,161.3) 220.65,161.33 U1.3
  Top w1: v1(205.65,84.23) v1(204.88,84.65) ; v1(205.65,84.23) v1(206.4,83.78) ; v1(205.65,84.23) 204.9,82.97 ; v1(94.6,208.43) v1(94.62,207.5) ; v1(94.6,208.43) v1(94.6,209.43) ; v1(94.6,208.43) C4.1 ; v1(22.9,144.35) v1(23.78,143.88) ; v1(22.9,144.35) C6.1 ; v1(22.9,144.35) v1(22.12,144.78) ; v1(84.18,23) v1(84.62,23.75) ; v1(84.18,23) v1(83.75,22.25) ; v1(84.18,23) 82.97,23.7 ; v1(50.3,185.95) v1(49.83,186.68) ; v1(50.3,185.95) C5.1 ; v1(50.3,185.95) v1(50.75,185.15) ; C1.1 208.43,133.9 v1(208.43,133.9) ; v1(144.38,205.6) v1(143.89,204.81) ; v1(144.38,205.6) v1(144.8,206.3) ; v1(144.38,205.6) C3.1 ; v1(178.32,42.58) v1(178.75,41.83) ; v1(178.32,42.58) v1(177.85,43.35) ; v1(178.32,42.58) C11.1 ; v1(20.17,94.63) v1(21.05,94.63) ; v1(20.17,94.63) v1(19.22,94.63) ; v1(20.17,94.63) C7.1 ; v1(186.07,178.15) v1(186.8,178.55) ; v1(186.07,178.15) v1(185.35,177.75) ; v1(186.07,178.15) C2.1 ; v1(208.43,133.9) v1(207.62,133.9) ; v1(208.43,133.9) v1(209.23,133.9) ; C8.1 v1(42.65,50.18) ; v1(42.65,50.18) v1(41.78,49.68) ; v1(42.65,50.18) v1(43.5,50.7) ; v1(133.88,20.18) v1(133.85,21.08) ; v1(133.88,20.18) C10.1 ; v1(133.88,20.18) v1(133.88,19.28)
GND: length 315.8
  Top w0.2: 199.04,153.1 v1(198.23,152.63) ; C119.2 v1(168.01,6.48) ; U59.2 v1(118.03,213.15) ; C22.2 v1(221.05,132.28) ; v1(200.01,37.27) 200.04,37.29 C112.2 ; C73.2 v1(22.38,118.03) ; U70.2 v1(28,162.48) ; v1(148.41,10.77) 148.92,10.25 U24.2 ; U72.2 v1(32.9,171.45) ; U110.2 v1(190.57,48.45) ; U57.2 v1(105.38,213.25) ; C125.2 v1(11.37,28.78) ; U14.11 136.85,12.7 v1(136.86,12.71) ; v1(7.36,40.67) 7.38,40.65 C126.2 ; C41.2 v1(189.38,167.95) ; C20.2 145.88,11.2 v1(145.9,11.19) ; v1(173.97,220.7) 173.98,220.7 U37.2 ; C113.2 v1(40.44,8.96) ; 20.38,81.91 v1(19.22,81.25) ; C115.2 v1(50.69,8.88) ; v1(171.31,13.86) 171.3,13.87 U8.11 ; C106.2 v1(184.3,52.03) ; U65.2 v1(68.03,201.8) ; 212.39,26.64 v1(212.39,25.85) ; U87.2 v1(72.45,24.05) ; U99.2 v1(171.57,33) ; v1(210.7,103.45) 210.7,104.85 211.36,105.51 U42.2 ; C62.2 v1(75.97,198.23) ; v1(148.62,215.3) 148.97,215.65 C138.2 ; C35.2 v1(206.3,123.2) ; U16.11 202.87,202.96 v1(202.88,202.95) ; C97.2 v1(156.95,32.93) ; U62.2 v1(133.2,213.25) ; 191.94,53.51 v1(193.27,52.73) ; C78.2 v1(35.5,67.18) ; v1(213.25,123.23) 213.25,123.22 U39.2 ; 55.92,40.86 v1(56.4,41.7) ; C32.2 v1(181.85,217.18) ; C71.2 v1(22.5,105.38) ; C82.2 v1(25.4,84.78) ; C28.2 148.76,213.85 v1(148.78,213.84) ; 124.78,223.28 v1(123.9,223.28) 123.9,223.28 Q1.2 ; v1(163.43,214.63) 163.41,214.62 C137.2 ; U20.2 53.78,7.66 v1(53.28,8.16) ; C17.2 177.08,5.21 v1(177.11,5.18) ; C72.2 v1(22.42,112.88) ; C47.2 v1(152.47,198.28) ; C139.2 194.25,217.75 v1(194.27,217.73) ; 79.89,201.58 v1(80.43,200.7) ; v1(184.16,18.13) 184.16,18.12 C124.2 ; v1(64.66,16.42) 64.63,16.4 U7.11 ; U61.2 v1(128.12,213.3) ; C91.2 v1(110.57,22.45) ; U81.2 v1(33.05,57.1) ; U63.2 v1(57.03,195.53) ; C46.2 v1(203.25,143.85) ; 33.23,159.47 v1(34.03,159) ; 53.5,36.66 v1(52.75,35.5) ; C79.2 v1(32.88,71.6) ; U31.2 140.93,224.48 v1(140.93,224.48) ; C85.2 v1(65.18,36.63) ; U40.2 211.33,115.73 210.75,115.15 v1(210.75,113.6) ; U2.11 204.44,24.59 v1(204.44,24.6) ; v1(152.88,221.7) 152.88,221.7 U17.11 ; C80.2 v1(30.4,76) ; v1(216.18,146.68) 216.17,146.67 C134.2 ; C110.2 200.05,27.05 v1(200.04,27.05) ; v1(43.83,16.4) U5.11 ; v1(195.62,207.28) 195.63,207.27 C136.2 ; v1(224.73,125.38) 224.71,125.39 U27.2 ; U105.2 v1(204.52,72.53) ; v1(36.58,20.85) 36.58,20.84 C114.2 ; C95.2 v1(167.93,39.2) ; C39.2 v1(206.15,100.45) ; 77.46,206.04 76.75,206.75 v1(76.75,206.93) ; 205.77,151.14 v1(206.85,151.83) ; v1(223.35,142.13) 223.33,142.14 U15.11 ; U54.2 v1(171.43,195.63) ; C89.2 v1(123.22,22.5) ; U102.2 v1(156.28,24.08) ; U85.2 v1(21.6,76.75) ; U43.2 211.37,100.47 210.85,99.95 210.85,98.65 v1(211.05,98.45) ; v1(200.27,183.58) 200.3,183.6 U33.2 ; C103.2 v1(191.95,65.18) ; 166.31,196.94 v1(167.03,198.18) ; v1(193.23,183.55) 193.2,183.57 U32.2 ; C27.2 203.81,191.3 v1(203.8,191.3) ; C140.2 v1(179.47,218.6) ; U41.2 211.33,110.58 210.75,110 v1(210.75,108.45) ; 84.3,204 84.72,203.58 v1(84.72,203.28) ; C121.2 v1(172.13,6.43) ; v1(81.2,209.35) 81.2,209.2 81.91,208.49 ; 159.47,195.37 v1(158.97,194.55) ; C33.2 v1(181.78,220.7) ; C96.2 v1(161.38,35.53) ; v1(174.03,217.15) 174.04,217.17 U36.2 ; 195.37,69.14 v1(194.5,69.63) ; C52.2 v1(176.57,184.38) ; v1(14.78,36.19) 14.78,36.19 U11.11 ; 208.22,146.69 v1(209.38,147.35) ; C76.2 v1(22.55,133.2) ; C67.2 v1(36.55,163.5) ; v1(61.08,8.93) C117.2 ; C77.2 v1(39.22,60.68) ; v1(213.01,34.17) 213.5,34.66 U19.2 ; C49.2 v1(163.4,192) ; 175.09,191.94 v1(175.82,193.13) ; v1(181.13,13.86) 181.12,13.84 U9.11 ; U6.11 v1(54.26,16.4) ; 148.71,27.02 v1(148.15,27.93) ; C74.2 v1(22.45,123.08) ; C16.2 v1(48.1,7.65) ; 69.13,33.23 v1(69.65,34.08) ; v1(206.1,110.58) 206.3,110.58 206.3,110.58 C37.2 ; C38.2 v1(206.15,105.53) ; v1(148.85,217.65) 148.58,217.38 C30.2 ; U51.2 v1(156.1,204.55) ; C90.2 v1(115.72,22.48) ; U98.2 v1(95.38,15.35) ; C40.2 206.11,95.39 v1(206.1,95.4) ; C43.2 v1(195.68,157) ; U69.2 v1(24,156.1) ; C118.2 v1(57.48,20.7) ; C57.2 v1(128.12,206.18) ; C65.2 v1(30.33,152.5) ; C130.2 27.88,40.64 v1(27.89,40.64) ; U82.2 v1(29.3,63.5) ; C59.2 v1(60.65,189.4) ; U26.2 v1(221.05,125.35) ; C88.2 v1(52,44.23) ; C58.2 v1(133.2,206.1) ; U96.2 v1(105.5,15.3) ; U48.2 v1(204.4,156.18) ; U44.2 211.34,95.39 210.7,94.75 v1(210.7,93.45) ; 62.29,31.66 v1(61.53,30.45) ; C123.2 v1(187.75,6.41) ; 190.26,60.32 v1(189.38,60.78) ; U78.2 v1(15.33,123.08) ; C94.2 v1(95.38,22.53) ; v1(148.38,7.22) 148.9,6.7 U23.2 ; U60.2 v1(123.07,213.28) ; 172.68,187.74 v1(172.2,186.9) ; C93.2 v1(100.47,22.5) ; 187.74,55.92 v1(186.88,56.4) ; 194.45,57.88 v1(195.68,57.15) ; 60.31,38.34 v1(60.85,39.25) ; U35.2 203.81,183.56 v1(203.82,183.55) ; C54.2 v1(112.88,206.15) ; C128.2 v1(17.58,40.62) ; U45.2 v1(195.62,171.58) ; C61.2 v1(71.62,195.68) ; U74.2 v1(38.08,180.13) ; C122.2 v1(174.19,18.16) ; 201.58,148.71 v1(200.82,148.28) ; v1(196.75,183.58) 196.75,183.58 U34.2 ; 168.28,190.27 v1(167.78,189.43) ; C135.2 v1(196.77,192.95) ; 40.86,172.68 v1(41.7,172.2) ; U58.2 v1(112.88,213.15) ; C132.2 v1(132.41,5.34) ; 27.02,79.89 v1(27.88,80.38) ; 146.69,20.38 v1(147.38,19.28) ; C56.2 v1(123.07,206.1) ; C100.2 v1(143.78,25.38) ; U64.2 v1(63.58,199.23) ; v1(180.69,5.61) 181.13,5.16 U21.2 ; C120.2 v1(164.19,18.18) ; C55.2 v1(118.03,206.18) ; C34.2 v1(192.28,222.98) ; U106.2 v1(200.68,66.1) ; U13.11 v1(35.39,36.17) ; C53.2 v1(105.38,206.13) ; C70.2 v1(44.22,176.6) ; v1(144.49,8.06) 144.47,8.06 C131.2 ; v1(206.1,115.7) 206.12,115.72 C36.2 ; U10.11 v1(191.19,13.81) ; v1(200.06,16.8) 200.07,16.79 C108.2 ; v1(145.66,8.08) 145.63,8.06 C19.2 ; v1(141,220.93) 141.01,220.94 142.32,220.94 ; U66.2 v1(72.35,204.4) ; U25.2 v1(217.32,125.35) ; v1(204.54,44.65) 204.55,44.63 U4.11 ; 38.33,168.29 v1(39.17,167.8) ; U22.2 24.6,27.41 v1(24.08,27.93) ; C92.2 v1(105.53,22.55) ; U92.2 v1(48.42,38.05) ; U94.2 v1(115.72,15.33) ; U95.2 v1(110.57,15.33) ; U101.2 v1(160.57,26.8) ; C101.2 v1(198.25,76.13) ; U77.2 v1(15.4,118.03) ; 31.66,166.31 v1(30.53,166.95) ; U83.2 v1(26.67,68.03) ; 196.94,62.29 v1(198.1,61.58) ; 217.32,131.43 v1(217.32,132.3) C133.2 ; 164.32,30.52 v1(165.1,29.25) ; U3.11 204.58,34.64 v1(204.59,34.65) ; U52.2 v1(162.55,200.75) ; C83.2 v1(76.1,30.33) ; C25.2 v1(196.75,191.18) ; U80.2 v1(15.47,133.2) ; C116.2 v1(46.91,20.8) ; 57.88,34.15 v1(57.1,32.93) ; U79.2 v1(15.35,128.13) ; U93.2 v1(123.2,15.25) ; 211.94,40.38 v1(211.94,41.27) ; C18.2 v1(18.83,27.41) ; U29.2 140.94,217.37 ; C75.2 v1(22.47,128.15) ; 153.09,29.56 v1(152.57,30.4) ; 36.66,175.1 v1(35.45,175.78) ; U88.2 v1(66,27.88) ; C107.2 v1(211.92,21.25) ; 198.08,164.32 v1(199.2,165) ; v1(148.85,224.47) 148.84,224.47 C31.2 ; U38.2 v1(200.3,222.98) ; U18.11 184.06,225.24 v1(184.05,225.25) ; 142.32,213.85 v1(141.05,213.85) ; U47.2 v1(201.73,160.53) ; C24.2 v1(193.23,191.25) ; U97.2 v1(100.47,15.3) ; C129.2 v1(31.84,28.81) ; U12.11 v1(24.98,36.17) ; U56.2 v1(180.15,190.55) ; C26.2 v1(200.3,191.2) ; C127.2 v1(21.53,28.76) ; C42.2 v1(193.15,161.45) ; U84.2 v1(24.12,72.4) ; U75.2 v1(15.22,105.38) ; 151.14,22.83 v1(151.88,21.55) ; C23.2 v1(224.7,132.23) ; C29.2 v1(148.85,220.94) ; U76.2 v1(15.33,112.88) ; C60.2 v1(67.18,193.08) ; v1(213.51,30.65) 212.57,30.65